# KiCad board Solder.kicad_pcb
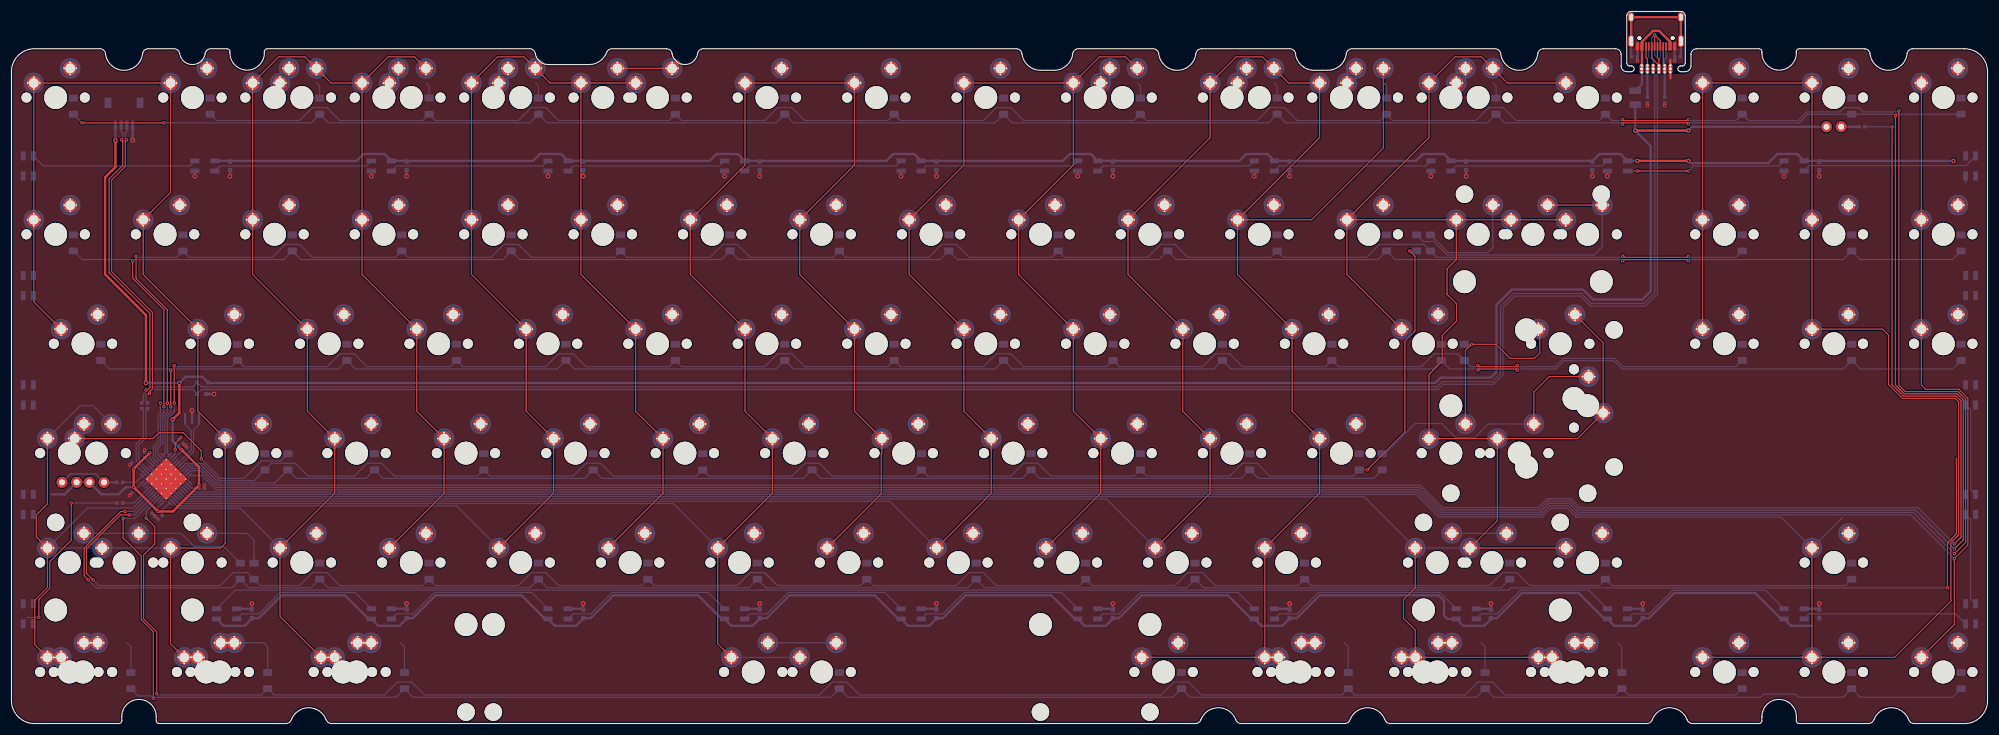
[diagram p0: board, top side]
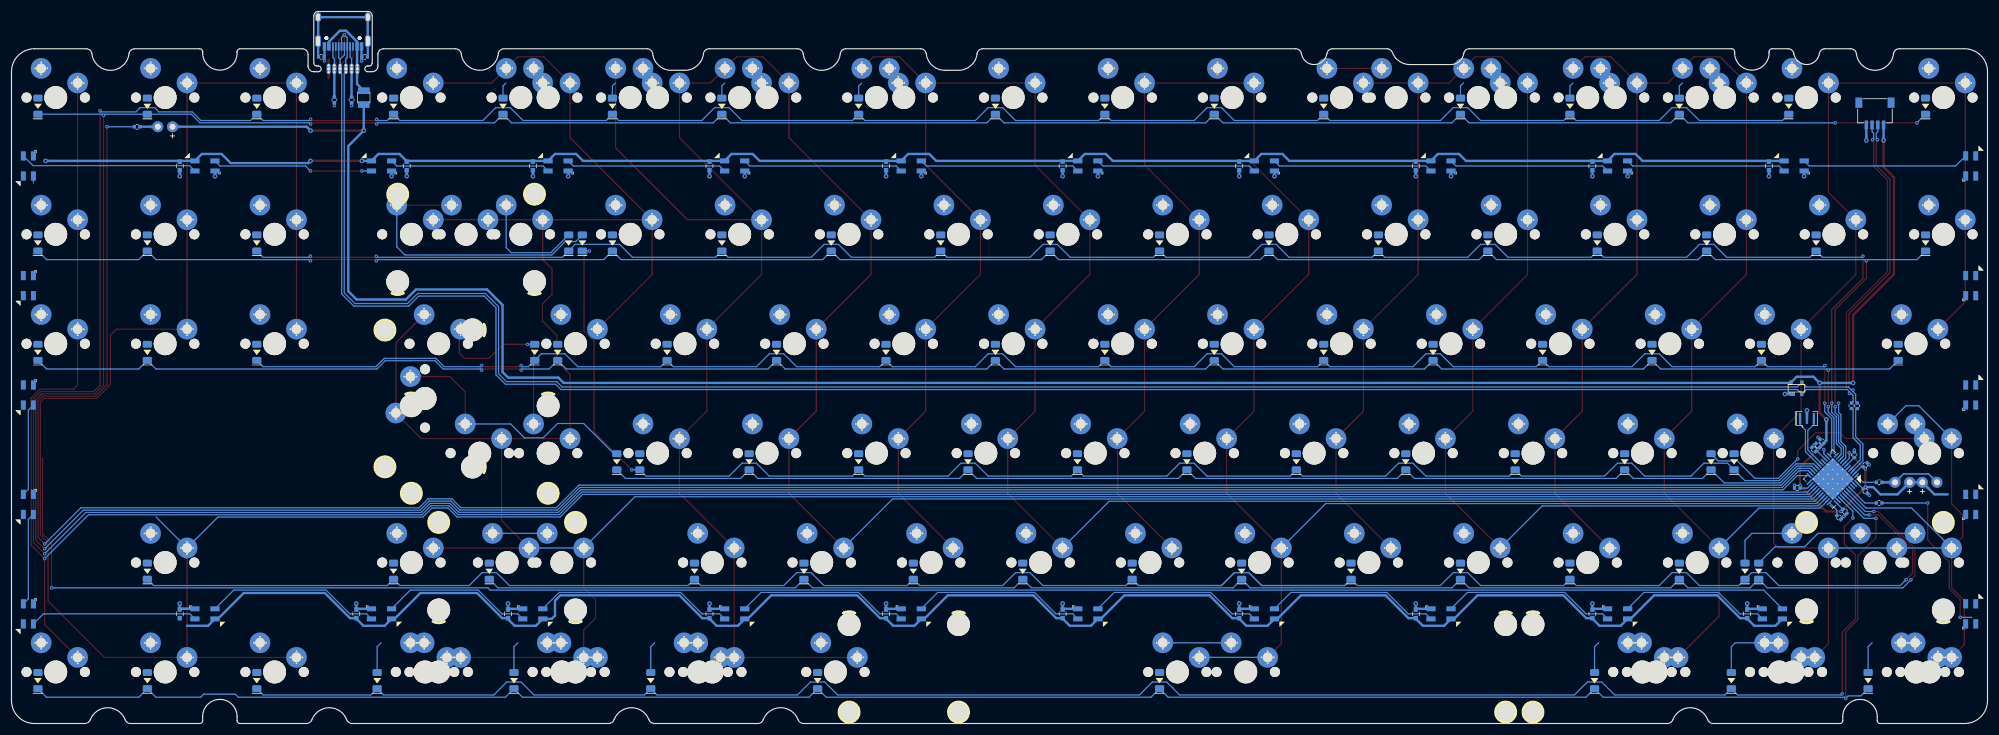
[diagram p1: board, bottom side, seen from below]

Outline 344 x 123.97 mm; copper layers: Top, Bottom. Coordinates in mm from the lower left corner of the outline.
Outline path: 281.21,113.49 arc(280.51,113.78) 280.21,114.49 280.21,116.48 arc(279.92,117.19) 279.21,117.48 266.7,117.48 arc(266.04,117.23) 265.71,116.6 arc(262.48,113.73) 259.25,116.6 arc(258.93,117.23) 258.26,117.48 233.37,117.48 arc(232.7,117.23) 232.37,116.6 arc(231.3,114.55) 229.15,113.73 226.76,113.73 arc(224.6,114.55) 223.53,116.6 arc(223.2,117.23) 222.54,117.48 207.17,117.48 arc(206.51,117.23) 206.18,116.6 arc(202.95,113.73) 199.72,116.6 arc(199.39,117.23) 198.73,117.48 185.74,117.48 arc(185.08,117.23) 184.75,116.6 arc(183.68,114.55) 181.52,113.73 179.14,113.73 arc(176.98,114.55) 175.91,116.6 arc(175.58,117.23) 174.92,117.48 120.43,117.48 arc(119.78,117.24) 119.44,116.64 arc(117.23,114.73) 115.01,116.64 arc(114.67,117.24) 114.02,117.48 104.54,117.48 arc(103.97,117.31) 103.6,116.84 arc(102.41,115.31) 100.56,114.73 93.41,114.73 arc(91.95,115.27) 91.19,116.64 arc(90.85,117.24) 90.2,117.48 44.52,117.48 arc(44.17,117.34) 44.02,116.98 44.02,116.76 arc(41.02,113.76) 38.02,116.76 38.02,116.98 arc(37.88,117.34) 37.52,117.48 34.71,117.48 arc(34.06,117.24) 33.72,116.64 arc(31.5,114.73) 29.28,116.64 arc(28.94,117.24) 28.29,117.48 23.81,117.48 arc(23.15,117.23) 22.82,116.6 arc(19.59,113.73) 16.37,116.6 arc(16.04,117.23) 15.37,117.48 4.09,117.48 arc(1.17,116.31) 0,113.4 0,4 arc(1.17,1.17) 4,0 18.7,0 arc(19.05,0.15) 19.2,0.5 19.2,1.2 arc(22.2,4.2) 25.2,1.2 25.2,0.5 arc(25.35,0.15) 25.7,0 47.77,0 arc(48.34,0.18) 48.71,0.65 arc(51.75,2.75) 54.79,0.65 arc(55.15,0.18) 55.72,0 206.12,0 arc(206.69,0.18) 207.06,0.65 arc(210.1,2.75) 213.14,0.65 arc(213.51,0.18) 214.08,0 232.09,0 arc(232.66,0.18) 233.02,0.65 arc(236.06,2.75) 239.11,0.65 arc(239.47,0.18) 240.04,0 284.7,0 arc(285.27,0.18) 285.63,0.65 arc(288.67,2.75) 291.72,0.65 arc(292.08,0.18) 292.65,0 304.22,0 arc(304.58,0.15) 304.72,0.5 304.72,1.2 arc(307.72,4.2) 310.72,1.2 310.72,0.5 arc(310.87,0.15) 311.22,0 323.27,0 arc(323.84,0.18) 324.21,0.65 arc(327.25,2.75) 330.29,0.65 arc(330.66,0.18) 331.23,0 340,0 arc(342.83,1.17) 344,4 344,113.48 arc(342.83,116.31) 340,117.48 330.94,117.48 arc(330.31,117.21) 330,116.6 arc(326.77,113.73) 323.55,116.6 arc(323.22,117.23) 322.55,117.48 311.22,117.48 arc(310.87,117.34) 310.72,116.98 310.72,116.76 arc(307.72,113.76) 304.72,116.76 304.72,116.98 arc(304.58,117.34) 304.22,117.48 293.37,117.48 arc(292.67,117.19) 292.37,116.48 292.37,114.49 arc(292.08,113.78) 291.37,113.49 ; 281.21,113.49 281.99,113.49 arc(282.49,113.99) 281.99,114.49 281.71,114.49 arc(281.36,114.63) 281.21,114.99 281.21,123.21 arc(281.43,123.75) 281.97,123.97 290.61,123.97 arc(291.15,123.75) 291.37,123.21 291.37,114.99 arc(291.22,114.63) 290.87,114.49 290.59,114.49 arc(290.09,113.99) 290.59,113.49 291.37,113.49

## Placement (name value [footprint] x y rotation side)
C1  0.1uF  [C_0402]  24.82 36.93 225 bottom
C2  1uF  [C_0402]  23.18 46.8 270 bottom
C3  0.1uF  [C_0402]  21.28 40.47 225 bottom
C4  0.1uF  [C_0402]  21.28 45.04 135 bottom
C5  0.1uF  [C_0402]  30.24 47.72 45 bottom
C6  0.1uF  [C_0402]  33.11 40.98 0 bottom
C7  10uF  [C_0402]  29.53 48.43 45 bottom
C8  0.1uF  [C_0402]  290.06 116.09 180 bottom
C9  0.1uF  [C_0603]  38.05 97.08 90 bottom
C10  0.1uF  [C_0603]  68.79 97.08 90 bottom
C11  0.1uF  [C_0603]  99.53 97.08 90 bottom
C12  0.1uF  [C_0603]  222.49 97.08 90 bottom
C13  0.1uF  [C_0603]  130.27 97.08 90 bottom
C14  0.1uF  [C_0603]  191.75 97.08 90 bottom
C15  0.1uF  [C_0603]  253.23 97.08 90 bottom
C16  0.1uF  [C_0603]  161.01 97.08 90 bottom
C17  0.1uF  [C_0603]  275.2 97.08 90 bottom
C18  0.1uF  [C_0603]  314.71 97.08 90 bottom
C19  0.1uF  [C_0603]  222.49 19.09 90 bottom
C20  0.1uF  [C_0603]  257.56 19.09 90 bottom
C21  0.1uF  [C_0603]  130.27 19.09 90 bottom
C22  0.1uF  [C_0603]  283.97 19.09 90 bottom
C23  0.1uF  [C_0603]  191.75 19.09 90 bottom
C24  0.1uF  [C_0603]  41.84 19.09 90 bottom
C25  0.1uF  [C_0603]  314.71 19.09 90 bottom
C26  0.1uF  [C_0603]  161.01 19.09 90 bottom
C27  0.1uF  [C_0603]  99.53 19.09 90 bottom
C28  0.1uF  [C_0603]  68.79 19.09 90 bottom
D1  LED  [MXOnly-LEDONLY-FLIPPED]  10.07 47.07 0 top
D2  LED  [MXOnly-LEDONLY]  14.83 47.07 0 top
D3  LED  [MXOnly-LEDONLY]  317.25 108.99 0 top
D4  1N4148W  [DIODE_1206_SawnsProjects]  10.79 107.49 90 bottom
D5  1N4148W  [DIODE_1206_SawnsProjects]  10.79 83.67 90 bottom
D6  1N4148W  [DIODE_1206_SawnsProjects]  15.55 64.62 90 bottom
D7  1N4148W  [DIODE_1206_SawnsProjects]  48.12 45.57 90 bottom
D8  1N4148W  [DIODE_1206_SawnsProjects]  39.83 26.52 90 bottom
D9  1N4148W  [DIODE_1206_SawnsProjects]  20.78 7.47 90 bottom
D10  1N4148W  [DIODE_1206_SawnsProjects]  34.6 107.49 90 bottom
D11  1N4148W  [DIODE_1206_SawnsProjects]  29.84 83.67 90 bottom
D12  1N4148W  [DIODE_1206_SawnsProjects]  39.36 64.62 90 bottom
D13  1N4148W  [DIODE_1206_SawnsProjects]  44.12 45.57 90 bottom
D14  1N4148W  [DIODE_1206_SawnsProjects]  42.21 26.52 90 bottom
D15  1N4148W  [DIODE_1206_SawnsProjects]  44.6 7.47 90 bottom
D16  1N4148W  [DIODE_1206_SawnsProjects]  53.65 107.49 90 bottom
D17  1N4148W  [DIODE_1206_SawnsProjects]  48.89 83.67 90 bottom
D18  1N4148W  [DIODE_1206_SawnsProjects]  58.41 64.62 90 bottom
D19  1N4148W  [DIODE_1206_SawnsProjects]  63.17 45.57 90 bottom
D20  1N4148W  [DIODE_1206_SawnsProjects]  53.65 26.52 90 bottom
D21  1N4148W  [DIODE_1206_SawnsProjects]  68.41 7.47 90 bottom
D22  1N4148W  [DIODE_1206_SawnsProjects]  72.7 107.49 90 bottom
D23  1N4148W  [DIODE_1206_SawnsProjects]  67.94 83.67 90 bottom
D24  1N4148W  [DIODE_1206_SawnsProjects]  77.46 64.62 90 bottom
D25  1N4148W  [DIODE_1206_SawnsProjects]  82.22 45.57 90 bottom
D26  1N4148W  [DIODE_1206_SawnsProjects]  72.7 26.52 90 bottom
D27  1N4148W  [DIODE_1206_SawnsProjects]  91.75 107.49 90 bottom
D28  1N4148W  [DIODE_1206_SawnsProjects]  86.99 83.67 90 bottom
D29  1N4148W  [DIODE_1206_SawnsProjects]  96.51 64.62 90 bottom
D30  1N4148W  [DIODE_1206_SawnsProjects]  101.27 45.57 90 bottom
D31  1N4148W  [DIODE_1206_SawnsProjects]  91.75 26.52 90 bottom
D32  1N4148W  [DIODE_1206_SawnsProjects]  115.56 107.49 90 bottom
D33  1N4148W  [DIODE_1206_SawnsProjects]  106.04 83.67 90 bottom
D34  1N4148W  [DIODE_1206_SawnsProjects]  115.56 64.62 90 bottom
D35  1N4148W  [DIODE_1206_SawnsProjects]  120.32 45.57 90 bottom
D36  1N4148W  [DIODE_1206_SawnsProjects]  110.8 26.52 90 bottom
D37  1N4148W  [DIODE_1206_SawnsProjects]  134.61 107.49 90 bottom
D38  1N4148W  [DIODE_1206_SawnsProjects]  125.09 83.67 90 bottom
D39  1N4148W  [DIODE_1206_SawnsProjects]  134.61 64.62 90 bottom
D40  1N4148W  [DIODE_1206_SawnsProjects]  139.37 45.57 90 bottom
D41  1N4148W  [DIODE_1206_SawnsProjects]  129.85 26.52 90 bottom
D42  1N4148W  [DIODE_1206_SawnsProjects]  144.14 7.47 90 bottom
D43  1N4148W  [DIODE_1206_SawnsProjects]  153.66 107.49 90 bottom
D44  1N4148W  [DIODE_1206_SawnsProjects]  144.14 83.67 90 bottom
D45  1N4148W  [DIODE_1206_SawnsProjects]  153.66 64.62 90 bottom
D46  1N4148W  [DIODE_1206_SawnsProjects]  158.42 45.57 90 bottom
D47  1N4148W  [DIODE_1206_SawnsProjects]  148.9 26.52 90 bottom
D48  1N4148W  [DIODE_1206_SawnsProjects]  172.71 107.49 90 bottom
D49  1N4148W  [DIODE_1206_SawnsProjects]  163.19 83.67 90 bottom
D50  1N4148W  [DIODE_1206_SawnsProjects]  172.71 64.62 90 bottom
D51  1N4148W  [DIODE_1206_SawnsProjects]  177.47 45.57 90 bottom
D52  1N4148W  [DIODE_1206_SawnsProjects]  167.95 26.52 90 bottom
D53  1N4148W  [DIODE_1206_SawnsProjects]  196.52 107.49 90 bottom
D54  1N4148W  [DIODE_1206_SawnsProjects]  182.24 83.67 90 bottom
D55  1N4148W  [DIODE_1206_SawnsProjects]  191.76 64.62 90 bottom
D56  1N4148W  [DIODE_1206_SawnsProjects]  196.52 45.57 90 bottom
D57  1N4148W  [DIODE_1206_SawnsProjects]  187 26.52 90 bottom
D58  1N4148W  [DIODE_1206_SawnsProjects]  220.34 107.49 90 bottom
D59  1N4148W  [DIODE_1206_SawnsProjects]  201.29 83.67 90 bottom
D60  1N4148W  [DIODE_1206_SawnsProjects]  210.81 64.62 90 bottom
D61  1N4148W  [DIODE_1206_SawnsProjects]  215.57 45.57 90 bottom
D62  1N4148W  [DIODE_1206_SawnsProjects]  206.05 26.52 90 bottom
D63  1N4148W  [DIODE_1206_SawnsProjects]  203.67 7.47 90 bottom
D64  1N4148W  [DIODE_1206_SawnsProjects]  239.39 107.49 90 bottom
D65  1N4148W  [DIODE_1206_SawnsProjects]  220.34 83.67 90 bottom
D66  1N4148W  [DIODE_1206_SawnsProjects]  229.86 64.62 90 bottom
D67  1N4148W  [DIODE_1206_SawnsProjects]  234.62 45.57 90 bottom
D68  1N4148W  [DIODE_1206_SawnsProjects]  225.1 26.52 90 bottom
D69  1N4148W  [DIODE_1206_SawnsProjects]  232.71 7.47 90 bottom
D70  1N4148W  [DIODE_1206_SawnsProjects]  258.44 107.49 90 bottom
D71  1N4148W  [DIODE_1206_SawnsProjects]  239.39 83.67 90 bottom
D72  1N4148W  [DIODE_1206_SawnsProjects]  248.91 64.62 90 bottom
D73  1N4148W  [DIODE_1206_SawnsProjects]  238.62 45.57 90 bottom
D74  1N4148W  [DIODE_1206_SawnsProjects]  260.82 26.52 90 bottom
D75  1N4148W  [DIODE_1206_SawnsProjects]  256.53 7.47 90 bottom
D76  1N4148W  [DIODE_1206_SawnsProjects]  277.49 107.49 90 bottom
D77  1N4148W  [DIODE_1206_SawnsProjects]  247 83.67 90 bottom
D78  1N4148W  [DIODE_1206_SawnsProjects]  252.91 64.62 90 bottom
D79  1N4148W  [DIODE_1206_SawnsProjects]  244.62 83.67 90 bottom
D80  1N4148W  [DIODE_1206_SawnsProjects]  277.49 26.52 90 bottom
D81  1N4148W  [DIODE_1206_SawnsProjects]  280.34 7.47 90 bottom
D82  1N4148W  [DIODE_1206_SawnsProjects]  301.3 107.49 90 bottom
D83  1N4148W  [DIODE_1206_SawnsProjects]  301.3 83.67 90 bottom
D84  1N4148W  [DIODE_1206_SawnsProjects]  301.3 64.62 90 bottom
D85  1N4148W  [DIODE_1206_SawnsProjects]  301.3 7.47 90 bottom
D86  1N4148W  [DIODE_1206_SawnsProjects]  320.35 107.49 90 bottom
D87  1N4148W  [DIODE_1206_SawnsProjects]  320.35 83.67 90 bottom
D88  1N4148W  [DIODE_1206_SawnsProjects]  320.35 64.62 90 bottom
D89  1N4148W  [DIODE_1206_SawnsProjects]  320.35 26.52 90 bottom
D90  1N4148W  [DIODE_1206_SawnsProjects]  320.35 7.47 90 bottom
D91  1N4148W  [DIODE_1206_SawnsProjects]  339.4 107.49 90 bottom
D92  1N4148W  [DIODE_1206_SawnsProjects]  339.4 83.67 90 bottom
D93  1N4148W  [DIODE_1206_SawnsProjects]  339.4 64.62 90 bottom
D94  1N4148W  [DIODE_1206_SawnsProjects]  339.4 7.47 90 bottom
F1  500mA  [Fuse_SMD1206_Reflow]  282.67 108.97 270 bottom
J1  Conn_01x06_Female  [BreakoutUSB]  286.29 113.99 0 top
J2  Conn_01x04_Female  [JST-SR-4]  19.59 108.99 0 bottom
MX1  1.5U  [MXOnly-1.5U-NoLED]  12.45 8.97 0 top
MX2  1U  [MXOnly-1U-NoLED]  7.69 108.99 0 top
MX3  1U  [MXOnly-1U-NoLED]  7.69 85.17 0 top
MX4  1.5U  [MXOnly-1.5U-NoLED]  12.45 66.12 0 top
MX5  1.25U  [MXOnly-1.25U-NoLED]  10.07 47.07 0 top
MX6  1.25U  [MXOnly-1.25U-NoLED]  10.07 28.02 0 top
MX7  2.25U  [MXOnly-2.25U-NoLED]  19.59 28.02 0 top
MX8  1.25U  [MXOnly-1.25U-NoLED]  10.07 8.97 0 top
MX9  1.75U  [MXOnly-1.75U-NoLED]  14.83 47.07 0 top
MX10  1U  [MXOnly-1U-NoLED]  36.26 8.97 0 top
MX11  1U  [MXOnly-1U-NoLED]  31.5 108.99 0 top
MX12  1U  [MXOnly-1U-NoLED]  26.74 85.17 0 top
MX13  1U  [MXOnly-1U-NoLED]  36.26 66.12 0 top
MX14  1U  [MXOnly-1U-NoLED]  41.02 47.07 0 top
MX15  1U  [MXOnly-1U-NoLED]  31.5 28.02 0 top
MX16  1.25U  [MXOnly-1.25U-NoLED]  33.88 8.97 0 top
MX17  1.5U  [MXOnly-1.5U-NoLED]  60.07 8.97 0 top
MX18  1U  [MXOnly-1U-NoLED]  45.79 108.99 0 top
MX19  1U  [MXOnly-1U-NoLED]  45.79 85.17 0 top
MX20  1U  [MXOnly-1U-NoLED]  55.31 66.12 0 top
MX21  1U  [MXOnly-1U-NoLED]  60.07 47.07 0 top
MX22  1U  [MXOnly-1U-NoLED]  50.55 28.02 0 top
MX23  1.25U  [MXOnly-1.25U-NoLED]  57.69 8.97 0 top
MX24  1U  [MXOnly-1U-NoLED]  50.55 108.99 0 top
MX25  1U  [MXOnly-1U-NoLED]  64.84 108.99 0 top
MX26  1U  [MXOnly-1U-NoLED]  64.84 85.17 0 top
MX27  1U  [MXOnly-1U-NoLED]  74.36 66.12 0 top
MX28  1U  [MXOnly-1U-NoLED]  79.12 47.07 0 top
MX29  1U  [MXOnly-1U-NoLED]  69.6 28.02 0 top
MX30  1U  [MXOnly-1U-NoLED]  69.6 108.99 0 top
MX31  1U  [MXOnly-1U-NoLED]  83.89 108.99 0 top
MX32  1U  [MXOnly-1U-NoLED]  83.89 85.17 0 top
MX33  1U  [MXOnly-1U-NoLED]  93.41 66.12 0 top
MX34  1U  [MXOnly-1U-NoLED]  98.17 47.07 0 top
MX35  1U  [MXOnly-1U-NoLED]  88.65 28.02 0 top
MX36  1U  [MXOnly-1U-NoLED]  88.65 108.99 0 top
MX37  1U  [MXOnly-1U-NoLED]  102.94 108.99 0 top
MX38  1U  [MXOnly-1U-NoLED]  112.46 108.99 0 top
MX39  1U  [MXOnly-1U-NoLED]  102.94 85.17 0 top
MX40  1U  [MXOnly-1U-NoLED]  112.46 66.12 0 top
MX41  1U  [MXOnly-1U-NoLED]  117.22 47.07 0 top
MX42  1U  [MXOnly-1U-NoLED]  107.7 28.02 0 top
MX43  7U  [MXOnly-7U-ReversedStabilizers-NoLED]  141.04 8.97 0 top
MX44  1U  [MXOnly-1U-NoLED]  131.51 108.99 0 top
MX45  1U  [MXOnly-1U-NoLED]  121.99 85.17 0 top
MX46  1U  [MXOnly-1U-NoLED]  131.51 66.12 0 top
MX47  1U  [MXOnly-1U-NoLED]  136.27 47.07 0 top
MX48  1U  [MXOnly-1U-NoLED]  126.75 28.02 0 top
MX49  6.25U  [MXOnly-6.25U-ReversedStabilizers-NoLED]  129.13 8.97 0 top
MX50  1U  [MXOnly-1U-NoLED]  150.56 108.99 0 top
MX51  1U  [MXOnly-1U-NoLED]  141.04 85.17 0 top
MX52  1U  [MXOnly-1U-NoLED]  150.56 66.12 0 top
MX53  1U  [MXOnly-1U-NoLED]  155.32 47.07 0 top
MX54  1U  [MXOnly-1U-NoLED]  145.8 28.02 0 top
MX55  1U  [MXOnly-1U-NoLED]  169.61 108.99 0 top
MX56  1U  [MXOnly-1U-NoLED]  160.09 85.17 0 top
MX57  1U  [MXOnly-1U-NoLED]  169.61 66.12 0 top
MX58  1U  [MXOnly-1U-NoLED]  174.37 47.07 0 top
MX59  1U  [MXOnly-1U-NoLED]  164.85 28.02 0 top
MX60  1U  [MXOnly-1U-NoLED]  188.66 108.99 0 top
MX61  1U  [MXOnly-1U-NoLED]  179.14 85.17 0 top
MX62  1U  [MXOnly-1U-NoLED]  188.66 66.12 0 top
MX63  1U  [MXOnly-1U-NoLED]  193.42 47.07 0 top
MX64  1U  [MXOnly-1U-NoLED]  183.9 28.02 0 top
MX65  1U  [MXOnly-1U-NoLED]  193.42 108.99 0 top
MX66  1U  [MXOnly-1U-NoLED]  212.47 108.99 0 top
MX67  1U  [MXOnly-1U-NoLED]  198.19 85.17 0 top
MX68  1U  [MXOnly-1U-NoLED]  207.71 66.12 0 top
MX69  1U  [MXOnly-1U-NoLED]  212.47 47.07 0 top
MX70  1U  [MXOnly-1U-NoLED]  202.95 28.02 0 top
MX71  1.25U  [MXOnly-1.25U-NoLED]  200.57 8.97 0 top
MX72  1U  [MXOnly-1U-NoLED]  217.24 108.99 0 top
MX73  1.5U  [MXOnly-1.5U-NoLED]  222 8.97 0 top
MX74  1U  [MXOnly-1U-NoLED]  231.52 108.99 0 top
MX75  1U  [MXOnly-1U-NoLED]  217.24 85.17 0 top
MX76  1U  [MXOnly-1U-NoLED]  226.76 66.12 0 top
MX77  1U  [MXOnly-1U-NoLED]  231.52 47.07 0 top
MX78  1U  [MXOnly-1U-NoLED]  222 28.02 0 top
MX79  1.25U  [MXOnly-1.25U-NoLED]  224.38 8.97 0 top
MX80  1U  [MXOnly-1U-NoLED]  236.29 108.99 0 top
MX81  1U  [MXOnly-1U-NoLED]  245.81 8.97 0 top
MX82  1U  [MXOnly-1U-NoLED]  250.57 108.99 0 top
MX83  1U  [MXOnly-1U-NoLED]  236.29 85.17 0 top
MX84  1U  [MXOnly-1U-NoLED]  245.81 66.12 0 top
MX85  2.25U  [MXOnly-2.25U-ReversedStabilizers-NoLED]  262.48 47.07 0 top
MX86  1.75U  [MXOnly-1.75U-NoLED]  248.19 28.02 0 top
MX87  2.75U  [MXOnly-2.75U-NoLED]  257.72 28.02 0 top
MX88  1.25U  [MXOnly-1.25U-NoLED]  248.19 8.97 0 top
MX89  1U  [MXOnly-1U-NoLED]  255.34 108.99 0 top
MX90  ISO  [MXOnly-ISO-ROTATED-ReversedStabilizers-NoLED]  272.01 56.6 0 top
MX91  1.5U  [MXOnly-1.5U-NoLED]  269.62 8.97 0 top
MX92  1U  [MXOnly-1U-NoLED]  274.39 108.99 0 top
MX93  1U  [MXOnly-1U-NoLED]  255.34 85.17 0 top
MX94  1U  [MXOnly-1U-NoLED]  250.57 47.07 0 top
MX95  1U  [MXOnly-1U-NoLED]  274.39 85.17 0 top
MX96  2U  [MXOnly-2U-NoLED]  264.86 85.17 0 top
MX97  1U  [MXOnly-1U-NoLED]  274.39 28.02 0 top
MX98  1.25U  [MXOnly-1.25U-NoLED]  272.01 8.97 0 top
MX99  1.5U  [MXOnly-1.5U-NoLED]  269.62 66.12 0 top
MX100  1U  [MXOnly-1U-NoLED]  298.2 108.99 0 top
MX101  1U  [MXOnly-1U-NoLED]  298.2 85.17 0 top
MX102  1U  [MXOnly-1U-NoLED]  298.2 66.12 0 top
MX103  1U  [MXOnly-1U-NoLED]  298.2 8.97 0 top
MX104  1U  [MXOnly-1U-NoLED]  317.25 108.99 0 top
MX105  1U  [MXOnly-1U-NoLED]  317.25 85.17 0 top
MX106  1U  [MXOnly-1U-NoLED]  317.25 66.12 0 top
MX107  1U  [MXOnly-1U-NoLED]  317.25 28.02 0 top
MX108  1U  [MXOnly-1U-NoLED]  317.25 8.97 0 top
MX109  1U  [MXOnly-1U-NoLED]  336.3 108.99 0 top
MX110  1U  [MXOnly-1U-NoLED]  336.3 85.17 0 top
MX111  1U  [MXOnly-1U-NoLED]  336.3 66.12 0 top
MX112  1U  [MXOnly-1U-NoLED]  336.3 8.97 0 top
R1  10k  [R_0402]  28.82 49.14 45 bottom
R2  300R  [R_0402]  18.86 41.99 180 bottom
R3  300R  [R_0402]  322.14 103.91 180 bottom
R4  10k  [R_0402]  25.88 35.87 45 bottom
R5  300R  [R_0402]  18.86 38.39 0 bottom
R6  1M  [R_0402]  282.52 116.09 180 bottom
R7  22R  [R_0402]  22.68 55.32 90 bottom
R8  22R  [R_0402]  23.68 55.32 270 bottom
R9  5.1k  [R_0402]  284.79 108.59 90 bottom
R10  5.1k  [R_0402]  287.79 108.59 270 bottom
RGB1  WS2812B  [LED_SK6812MINI_PLCC4_3.5x3.5mm_P1.75mm]  2.92 19.09 270 bottom
RGB2  WS2812B  [LED_SK6812MINI_PLCC4_3.5x3.5mm_P1.75mm]  33.66 97.08 180 bottom
RGB3  WS2812B  [LED_SK6812MINI_PLCC4_3.5x3.5mm_P1.75mm]  341.06 76.24 90 bottom
RGB4  WS2812B  [LED_SK6812MINI_PLCC4_3.5x3.5mm_P1.75mm]  2.92 38.14 270 bottom
RGB5  WS2812B  [LED_SK6812MINI_PLCC4_3.5x3.5mm_P1.75mm]  64.4 97.08 180 bottom
RGB6  WS2812B  [LED_SK6812MINI_PLCC4_3.5x3.5mm_P1.75mm]  341.06 57.19 90 bottom
RGB7  WS2812B  [LED_SK6812MINI_PLCC4_3.5x3.5mm_P1.75mm]  2.92 57.19 270 bottom
RGB8  WS2812B  [LED_SK6812MINI_PLCC4_3.5x3.5mm_P1.75mm]  95.14 97.08 180 bottom
RGB9  WS2812B  [LED_SK6812MINI_PLCC4_3.5x3.5mm_P1.75mm]  341.06 38.14 90 bottom
RGB10  WS2812B  [LED_SK6812MINI_PLCC4_3.5x3.5mm_P1.75mm]  2.92 76.24 270 bottom
RGB11  WS2812B  [LED_SK6812MINI_PLCC4_3.5x3.5mm_P1.75mm]  125.88 97.08 180 bottom
RGB12  WS2812B  [LED_SK6812MINI_PLCC4_3.5x3.5mm_P1.75mm]  341.06 19.09 90 bottom
RGB13  WS2812B  [LED_SK6812MINI_PLCC4_3.5x3.5mm_P1.75mm]  2.92 97.08 270 bottom
RGB14  WS2812B  [LED_SK6812MINI_PLCC4_3.5x3.5mm_P1.75mm]  156.62 97.08 180 bottom
RGB15  WS2812B  [LED_SK6812MINI_PLCC4_3.5x3.5mm_P1.75mm]  187.36 97.08 180 bottom
RGB16  WS2812B  [LED_SK6812MINI_PLCC4_3.5x3.5mm_P1.75mm]  218.1 97.08 180 bottom
RGB17  WS2812B  [LED_SK6812MINI_PLCC4_3.5x3.5mm_P1.75mm]  248.84 97.08 180 bottom
RGB18  WS2812B  [LED_SK6812MINI_PLCC4_3.5x3.5mm_P1.75mm]  279.58 97.08 180 bottom
RGB19  WS2812B  [LED_SK6812MINI_PLCC4_3.5x3.5mm_P1.75mm]  310.32 97.08 180 bottom
RGB20  WS2812B  [LED_SK6812MINI_PLCC4_3.5x3.5mm_P1.75mm]  341.06 97.08 90 bottom
RGB21  WS2812B  [LED_SK6812MINI_PLCC4_3.5x3.5mm_P1.75mm]  310.32 19.09 0 bottom
RGB22  WS2812B  [LED_SK6812MINI_PLCC4_3.5x3.5mm_P1.75mm]  279.58 19.09 0 bottom
RGB23  WS2812B  [LED_SK6812MINI_PLCC4_3.5x3.5mm_P1.75mm]  253.25 19.09 0 bottom
RGB24  WS2812B  [LED_SK6812MINI_PLCC4_3.5x3.5mm_P1.75mm]  218.1 19.09 0 bottom
RGB25  WS2812B  [LED_SK6812MINI_PLCC4_3.5x3.5mm_P1.75mm]  187.36 19.09 0 bottom
RGB26  WS2812B  [LED_SK6812MINI_PLCC4_3.5x3.5mm_P1.75mm]  156.62 19.09 0 bottom
RGB27  WS2812B  [LED_SK6812MINI_PLCC4_3.5x3.5mm_P1.75mm]  125.88 19.09 0 bottom
RGB28  WS2812B  [LED_SK6812MINI_PLCC4_3.5x3.5mm_P1.75mm]  95.14 19.09 0 bottom
RGB29  WS2812B  [LED_SK6812MINI_PLCC4_3.5x3.5mm_P1.75mm]  64.4 19.09 0 bottom
RGB30  WS2812B  [LED_SK6812MINI_PLCC4_3.5x3.5mm_P1.75mm]  37.45 19.09 0 bottom
U1  ATmega32U4-MU  [QFN-44-1EP_7x7mm_P0.5mm_EP5.2x5.2mm]  26.93 42.57 315 bottom
U2  PRTR5V0U2X  [SOT143B]  33.27 58.37 90 bottom
USB1  HRO-TYPE-C-31-M-12-Type-C  [HRO-TYPE-C-31-M-12-Assembly]  286.29 125.59 180 top
USB2  HRO-TYPE-C-31-M-12-Type-C  [HRO-TYPE-C-31-M-12-Assembly]  286.29 125.59 0 bottom
Y1  16MHz  [Resonator_SMD_muRata_CSTxExxV-3Pin_3.0x1.1mm]  31.43 53.12 180 bottom

## Footprints (pads in the part's own frame, mm; a bottom-side part is the same pattern mirrored in y, then rotated)
BreakoutUSB
  round 0.5 hole 0.4: 1(-2.5,0.6) 1(-2.5,-0.6) 2(-1.5,0.6) 2(-1.5,-0.6) 3(-0.5,0.6) 3(-0.5,-0.6) 4(0.5,0.6) 4(0.5,-0.6) 5(1.5,0.6) 5(1.5,-0.6) 6(2.5,0.6) 6(2.5,-0.6)
  oval 0.7x1.8 hole 0.5: 1(-2.5,0) 2(-1.5,0) 3(-0.5,0) 4(0.5,0) 5(1.5,0) 6(2.5,0)
C_0402
  rect 0.56x0.62 smd: 1(-0.48,0) 2(0.48,0)
C_0603
  rect 0.8x0.75 smd: 1(-0.75,0) 2(0.75,0)
DIODE_1206_SawnsProjects
  rrect 1.2x1.6 smd: 1(-1.4,0) 2(1.4,0)
Fuse_SMD1206_Reflow
  rect 1.14x2.03 smd: 1(-1.2,0) 2(1.2,0)
HRO-TYPE-C-31-M-12-Assembly
  round 0.65 hole 0.65 unplated: (-2.89,6.25) (2.89,6.25)
  rect 0.6x1.45 smd: 1(-3.225,7.695) 2(-2.45,7.695) 11(2.45,7.695) 12(3.225,7.695)
  rect 0.3x1.45 smd: 3(-1.75,7.695) 4(-1.25,7.695) 5(-0.75,7.695) 6(-0.25,7.695) 7(0.25,7.695) 8(0.75,7.695) 9(1.25,7.695) 10(1.75,7.695)
  oval 1x2.1 hole 0.6x1.7: 13(-4.32,6.78) 13(4.32,6.78)
  oval 1x1.6 hole 0.6x1.2: 13(-4.32,2.6) 13(4.32,2.6)
JST-SR-4
  rect 1.2x1.8 smd: (-2.8,0.9) (2.8,0.9)
  rect 0.6x1.55 smd: 1(-1.5,4.775) 2(-0.5,4.775) 3(0.5,4.775) 4(1.5,4.775)
LED_SK6812MINI_PLCC4_3.5x3.5mm_P1.75mm
  rect 1.6x0.85 smd: 1(-1.75,0.875) 2(-1.75,-0.875) 3(1.75,-0.875) 4(1.75,0.875)
MXOnly-1.5U-NoLED
  round 1.75 hole 1.75 unplated: (-5.08,0) (5.08,0)
  round 3.2 smd: (-3.81,2.54) (2.54,5.08)
  round 3.988 hole 3.988 unplated: (0,0)
  round 1 smd: (3.099,0)
  round 0.4 hole 0.3: 1(-4.86,2.54) 1(-3.81,3.59) 1(-3.81,1.49) 1(-2.76,2.54) 2(1.49,5.08) 2(2.54,6.13) 2(2.54,4.03) 2(3.59,5.08)
  round 2.5 hole 1.7: 1(-3.81,2.54) 2(2.54,5.08)
  round 3.6 smd far side: 1(-3.81,2.54) 2(2.54,5.08)
MXOnly-1.25U-NoLED
  round 1.75 hole 1.75 unplated: (-5.08,0) (5.08,0)
  round 3.2 smd: (-3.81,2.54) (2.54,5.08)
  round 3.988 hole 3.988 unplated: (0,0)
  round 1 smd: (3.099,0)
  round 0.4 hole 0.3: 1(-4.86,2.54) 1(-3.81,3.59) 1(-3.81,1.49) 1(-2.76,2.54) 2(1.49,5.08) 2(2.54,6.13) 2(2.54,4.03) 2(3.59,5.08)
  round 2.5 hole 1.7: 1(-3.81,2.54) 2(2.54,5.08)
  round 3.6 smd far side: 1(-3.81,2.54) 2(2.54,5.08)
MXOnly-1.75U-NoLED
  round 1.75 hole 1.75 unplated: (-5.08,0) (5.08,0)
  round 3.2 smd: (-3.81,2.54) (2.54,5.08)
  round 3.988 hole 3.988 unplated: (0,0)
  round 1 smd: (3.099,0)
  round 0.4 hole 0.3: 1(-4.86,2.54) 1(-3.81,3.59) 1(-3.81,1.49) 1(-2.76,2.54) 2(1.49,5.08) 2(2.54,6.13) 2(2.54,4.03) 2(3.59,5.08)
  round 2.5 hole 1.7: 1(-3.81,2.54) 2(2.54,5.08)
  round 3.6 smd far side: 1(-3.81,2.54) 2(2.54,5.08)
MXOnly-1U-NoLED
  round 1.75 hole 1.75 unplated: (-5.08,0) (5.08,0)
  round 3.2 smd: (-3.81,2.54) (2.54,5.08)
  round 3.988 hole 3.988 unplated: (0,0)
  round 1 smd: (3.099,0)
  round 0.4 hole 0.3: 1(-4.86,2.54) 1(-3.81,3.59) 1(-3.81,1.49) 1(-2.76,2.54) 2(1.49,5.08) 2(2.54,6.13) 2(2.54,4.03) 2(3.59,5.08)
  round 2.5 hole 1.7: 1(-3.81,2.54) 2(2.54,5.08)
  round 3.6 smd far side: 1(-3.81,2.54) 2(2.54,5.08)
MXOnly-2.25U-NoLED
  round 3.048 hole 3.048 unplated: (-11.906,6.985) (11.906,6.985)
  round 3.988 hole 3.988 unplated: (-11.906,-8.255) (0,0) (11.906,-8.255)
  round 1.75 hole 1.75 unplated: (-5.08,0) (5.08,0)
  round 3.2 smd: (-3.81,2.54) (2.54,5.08)
  round 1 smd: (3.099,0)
  round 0.4 hole 0.3: 1(-4.86,2.54) 1(-3.81,3.59) 1(-3.81,1.49) 1(-2.76,2.54) 2(1.49,5.08) 2(2.54,6.13) 2(2.54,4.03) 2(3.59,5.08)